# Allegro board FMDEMOD-before-back-annote.brd (continued)
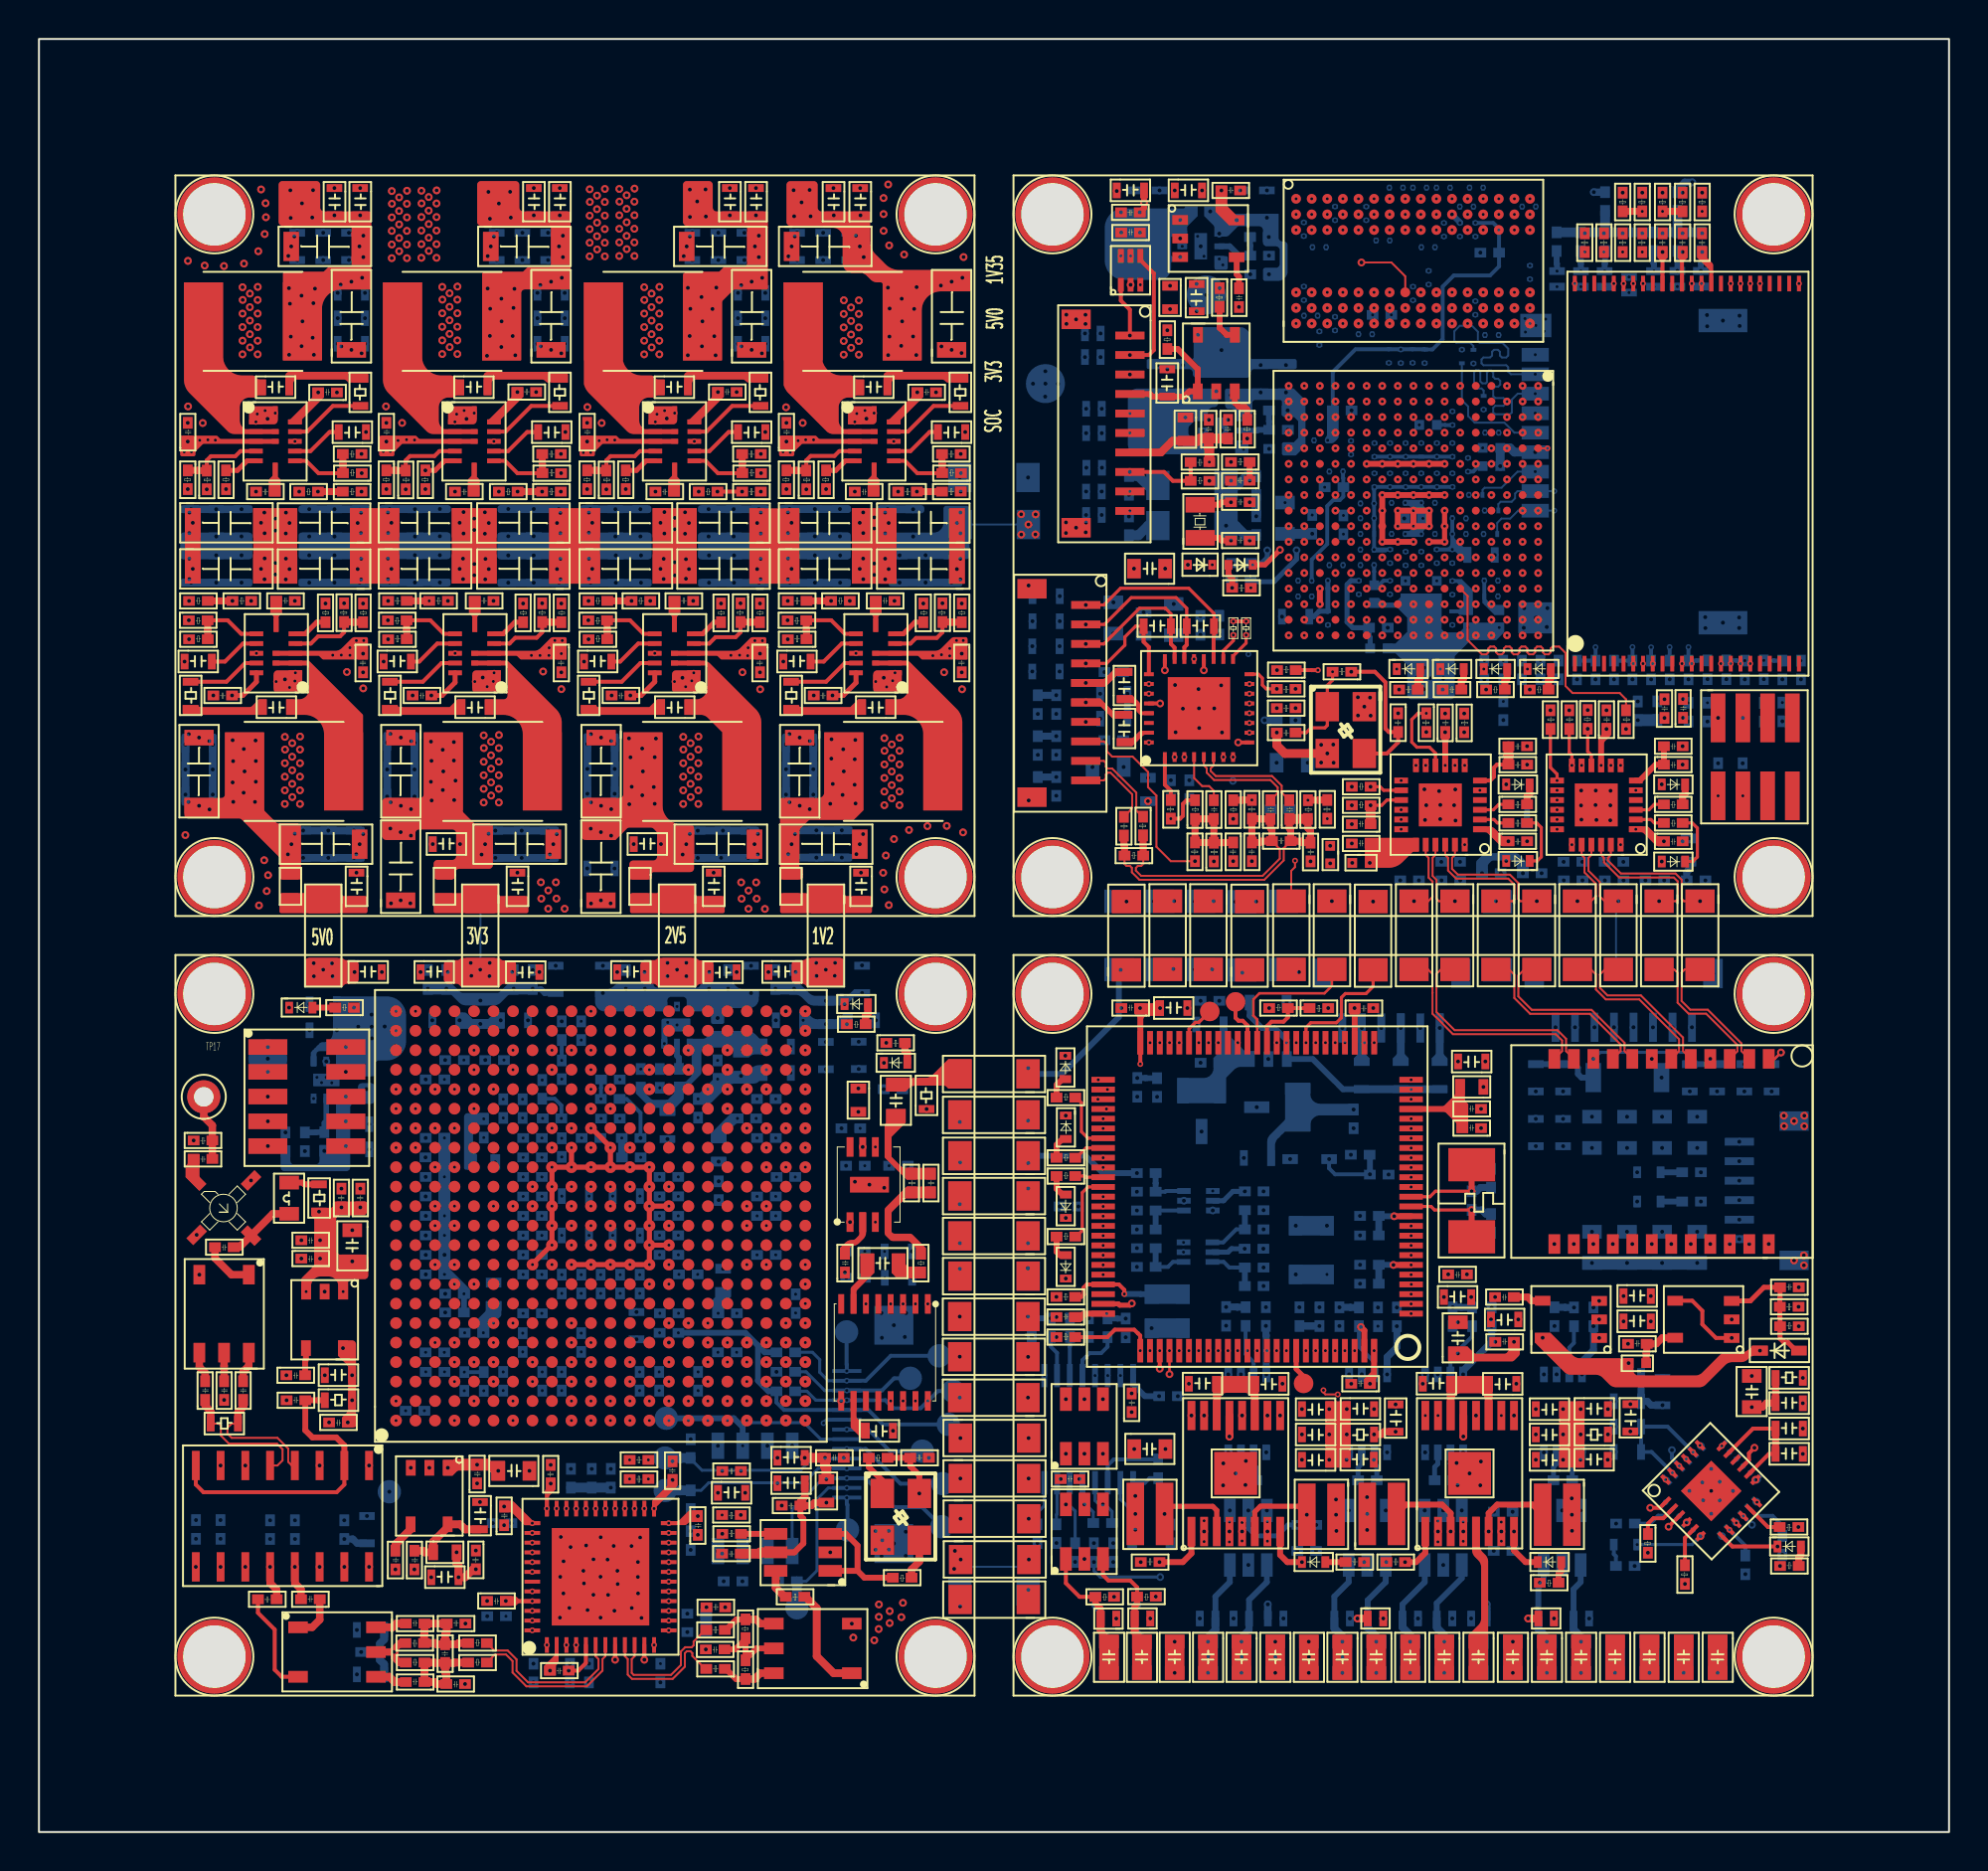
[diagram p0: board, top side]
## Routing (per net, layer and track width the routed paths; a pad name or vN(x,y) marks a point on that pad's centre or on a via; arc(x,y) is an arc through that point) (continued)
CPU_UART4_RXD_X: length 47.9
  SIGNAL-L8 w0.1: v6(63.94,44.11) 64.98,43.07 64.98,38.04 63.69,36.76 63.69,30.68 62.83,29.82 v6(62.83,28.97) 63.77,28.03 63.77,26.38 65.36,24.79 65.36,18.81 63.89,17.33 63.89,13.56 61.53,11.2 53.99,11.2 53.33,11.86 v6(50.76,11.86)
CPU_UART4_TXD: length 35.9
  SIGNAL-L7 w0.1: v13(72.12,61.4) 72.85,62.13 72.85,64.9 72.13,65.62 72.13,66.14 71.28,66.98 69.8,66.98 69.52,66.7 67.73,66.7 65.73,64.7 65.73,63 65.3,62.57 64.66,62.57 64.17,62.07 64.17,54.01 63.18,53.02 60.7,53.02 55.8,48.12 v14(55.8,47.74)
CPU_UART4_TXD_X: length 18.6
  SIGNAL-L8 w0.1: v6(56.33,31.89) 55.84,31.89 53.67,34.06 53.67,37.53 52.78,38.42 v6(50.74,38.42)
  BOTTOM w0.3: 50.74,38.9 52.49,38.9 55.41,41.81 55.41,44.26
CS0: length 26.6
  SIGNAL-L8 w0.1: v17(72.5,78.2) 72.13,78.57 71.3,78.57 70.67,79.2 70.67,79.73 71.4,80.47 76.66,80.47 76.88,80.69 76.88,81.73 76.64,81.97 70.79,81.97 70.38,81.56 70.38,80.36 68.94,78.91 68.94,76.64 67.32,75.02 v17(67.32,73.4)
CS1: length 26.1
  SIGNAL-L7 w0.1: v13(72.5,77.4) 72.82,77.08 73.09,77.08 73.16,77.15 73.16,77.29 72.68,77.77 72.32,77.77 72.17,77.91 72.17,78.03 72.07,78.13 71.92,78.13 71.82,78.03 71.82,77.78 72.05,77.55 72.05,77.31 71.95,77.21 71.82,77.21 71.71,77.11 71.71,76.97 71.78,76.9 72.24,76.9 72.5,76.64 72.68,76.64 72.83,76.79 73.13,76.79 73.21,76.72 73.21,76.58 73.13,76.5 73.13,76.49 73.03,76.39 72.87,76.39 72.68,76.2 72.45,76.2 72.15,76.49 72.01,76.49 71.94,76.42 71.94,76.21 72.5,75.64 72.5,75.5 72.37,75.37 72.16,75.37 71.62,75.9 71.62,76.15 71.38,76.39 71.24,76.39 71.06,76.22 71.06,75.99 71.57,75.48 71.57,75.17 71.43,75.02 70.22,75.02 70.17,75.07 70.03,75.07 69.93,74.97 69.93,74.83 70.03,74.73 71.27,74.73 71.37,74.63 71.37,74.49 71.27,74.39 71.04,74.39 70.89,74.24 70.89,74.14 70.99,74.04 71.3,74.04 71.4,73.94 71.4,73.84 70.94,73.38 70.94,73.24 71.04,73.14 71.36,73.14 71.57,73.35 72.48,73.35 72.71,73.12 72.71,72.72 72.62,72.63 72.49,72.63 72.26,72.86 72.26,72.9 72.15,73.01 71.72,73.01 71.54,72.84 71.54,72.69 71.64,72.59 71.86,72.59 71.96,72.49 71.96,72.22 71.65,71.91 71.65,71.52 71.75,71.42 72.54,71.42 72.64,71.32 72.64,71.1 72.54,71 v13(71.32,71)
D0: length 25.4
  SIGNAL-L3 w0.1: v9(64.92,71.8) 64.52,71.4 63.48,71.4 63.11,71.77 63.11,71.91 63.23,72.03 63.23,72.17 63.09,72.31 62.95,72.31 62.83,72.19 62.69,72.19 62.53,72.35 62.53,73.37 62.69,73.54 62.69,73.77 62.61,73.86 62.45,73.86 62.36,73.94 62.36,74.17 62.45,74.26 62.61,74.26 62.69,74.34 62.69,74.57 62.61,74.66 62.45,74.66 62.36,74.74 62.36,74.97 62.45,75.06 62.61,75.06 62.69,75.14 62.69,75.37 62.61,75.46 62.45,75.46 62.36,75.54 62.36,75.77 62.45,75.86 62.61,75.86 62.69,75.94 62.69,76.17 62.61,76.26 62.45,76.26 62.36,76.34 62.36,76.57 62.45,76.66 62.61,76.66 62.69,76.74 62.69,76.97 62.61,77.06 62.45,77.06 62.36,77.14 62.36,77.37 62.45,77.46 62.61,77.46 62.69,77.54 62.69,79.41 63.98,80.7 64.63,80.7 64.73,80.8 64.73,81.58 64.83,81.68 65.03,81.68 65.13,81.58 65.13,80.8 65.23,80.7 65.43,80.7 65.53,80.8 65.53,81.58 65.63,81.68 65.83,81.68 65.93,81.58 65.93,80.8 66.03,80.7 66.35,80.7 66.51,80.54 66.51,80.4 66.35,80.23 66.35,80.09 66.49,79.95 66.63,79.95 66.8,80.11 66.94,80.11 67.08,79.97 67.08,79.83 66.92,79.67 66.92,79.53 67.31,79.14 67.31,78.24 67.41,78.14 67.6,78.14 67.7,78.24 v9(67.7,79)
D1: length 22.9
  SIGNAL-L7 w0.1: v13(64.12,70.2) 63.62,70.2 62.82,71 62.82,72.51 62.24,73.08 62.24,74.24 62.37,74.37 62.37,82.98 63.15,83.77 67.12,83.77 67.6,83.28 67.6,82.36 67.7,82.26 67.87,82.26 67.97,82.36 67.97,82.52 68.08,82.64 68.84,82.64 68.94,82.53 68.94,82.39 68.75,82.2 v13(68.5,82.2)
D2: length 25.2
  SIGNAL-L4 w0.1: v15(68.5,78.2) 67.85,78.84 67.85,79.72 67.69,79.89 66.64,79.89 66.49,79.74 66.49,77.07 66.59,76.97 67.24,76.97 67.34,77.07 67.34,77.89 67.44,77.99 67.79,77.99 67.89,77.89 67.89,77.07 67.99,76.97 68.51,76.97 68.61,76.87 68.61,76.55 68.48,76.42 66.59,76.42 66.49,76.32 66.49,75.87 66.59,75.77 67.74,75.77 67.84,75.67 67.84,75.47 67.74,75.37 66.59,75.37 66.49,75.27 66.49,75.02 66.96,74.55 66.96,69.28 66.69,69.01 65.91,69.01 65.71,69.22 65.71,69.74 65.25,70.2 v15(64.92,70.2)
D3: length 23.2
  SIGNAL-L7 w0.1: v13(68.5,83) 68.73,83.23 68.73,83.68 68.34,84.07 62.94,84.07 62.02,83.16 62.02,74.54 61.79,74.31 61.79,72.92 62.32,72.39 62.32,70.68 63.59,69.4 v13(64.12,69.4)
D4: length 23.2
  TOP w0.1: U20.H3 70.1,79.82 69.39,80.53 v11(67.85,80.53)
  SIGNAL-L8 w0.1: v11(67.85,80.53) 64.72,80.53 63.68,79.49 63.68,77 64.55,76.14 64.55,75.34 64.65,75.24 65.51,75.24 65.61,75.14 65.61,74.94 65.51,74.84 64.65,74.84 64.55,74.74 64.55,74.54 64.65,74.44 65.51,74.44 65.61,74.34 65.61,74.14 65.51,74.04 64.65,74.04 64.55,73.94 64.55,69.03 v17(64.12,68.6)
D5: length 24.3
  SIGNAL-L4 w0.1: v15(70.1,83) 69.63,83.47 68.7,83.47 67.99,84.18 64.2,84.18 62.38,82.36 62.38,72.19 62.58,71.99 62.58,70.86 63.02,70.42 63.02,69.63 63.63,69.01 64.51,69.01 v15(64.92,68.6)
D6: length 22.4
  SIGNAL-L4 w0.1: v15(64.92,71) 64.51,71.41 63.77,71.41 63.54,71.63 63.54,72.73 63.18,73.09 63.18,81.55 64.28,82.65 67.12,82.65 67.3,82.48 67.3,81.78 67.79,81.28 68.71,81.28 69.81,80.17 69.81,78.72 v15(69.3,78.2)
D7: length 22.7
  SIGNAL-L7 w0.1: v13(64.12,71.8) 63.79,71.8 63.5,72.09 63.5,74.3 63.2,74.6 63.2,79.1 63.55,79.44 63.55,80.17 63.24,80.47 63.24,80.8 64.31,81.87 64.31,82.72 64.61,83.02 65.25,83.02 65.65,82.63 66.45,82.63 66.61,82.47 66.76,82.47 66.95,82.67 67.1,82.67 67.24,82.52 67.24,82.38 67.04,82.18 67.04,82.04 67.29,81.79 68.75,81.79 69.54,82.59 69.54,83.39 69.8,83.64 70.28,83.64 70.76,83.16 70.76,82.86 v13(70.1,82.2)
D8: length 16.4
  SIGNAL-L4 w0.1: v15(64.12,73.4) 63.55,73.97 63.55,81.14 64.1,81.69 64.45,81.69 64.55,81.59 64.55,80.89 64.65,80.79 64.85,80.79 64.95,80.89 64.95,81.59 65.05,81.69 65.39,81.69 65.49,81.59 65.49,81.29 65.59,81.19 65.79,81.19 65.89,81.29 65.89,81.56 65.99,81.66 66.23,81.66 66.32,81.57 66.32,80.68 66.44,80.56 66.78,80.56 66.9,80.68 v15(66.9,82.2)
D9: length 15.9
  SIGNAL-L3 w0.1: v9(64.12,72.6) 64.51,72.99 64.72,72.99 64.74,72.97 65.1,72.97 65.35,73.22 65.35,74.38 65.04,74.69 64.57,74.69 64.29,74.97 64.29,75.6 64.47,75.77 64.61,75.77 65.29,75.09 65.43,75.09 65.57,75.23 65.57,75.37 64.89,76.05 64.89,76.2 65.23,76.53 65.23,76.68 65.09,76.82 64.95,76.82 64.08,75.95 63.84,75.95 63.71,76.08 63.71,78.97 64.29,79.55 65.55,79.55 v9(66.1,79)
D10: length 16.5
  SIGNAL-L7 w0.1: v13(66.1,83) 65.67,83.42 64.13,83.42 63.78,83.08 63.78,82.55 63.61,82.38 62.81,82.38 62.69,82.25 62.69,79.37 62.81,79.25 62.81,74.45 63.16,74.09 63.16,71.45 63.61,71 v13(64.12,71)
D11: length 14.9
  SIGNAL-L3 w0.1: v9(65.72,71.8) 65.36,72.16 63.75,72.16 63.1,72.8 63.1,79.15 64.15,80.2 65.66,80.2 66.51,79.34 66.51,78.61 v9(66.1,78.2)
D12: length 16.4
  SIGNAL-L3 w0.1: v9(64.5,82.2) 64.5,81.87 61.96,79.34 61.96,78.92 62.08,78.81 62.08,77.79 61.96,77.68 61.96,72.4 63.78,70.59 66.11,70.59 v9(66.52,71)
D13: length 16
  SIGNAL-L4 w0.1: v15(66.52,72.6) 65.89,71.97 65.89,71.5 66.02,71.36 66.48,71.36 66.58,71.26 66.58,70.86 66.3,70.58 65.64,70.58 65.43,70.8 65.43,72.38 66.12,73.08 66.12,74.34 65.56,74.91 65.56,75.66 65.66,75.76 66.02,75.76 66.12,75.86 66.12,76.06 66.02,76.16 65.66,76.16 65.56,76.26 65.56,76.46 65.66,76.56 66.02,76.56 66.12,76.66 66.12,76.86 66.02,76.96 65.66,76.96 65.56,77.06 65.56,77.59 65.93,77.96 65.93,78.62 65.64,78.92 65.22,78.92 v15(64.5,78.2)
D14: length 15.2
  SIGNAL-L3 w0.1: v9(65.72,73.4) 66.15,73.83 66.15,74.85 66.86,75.56 66.86,75.7 66.3,76.26 66.3,76.4 66.44,76.54 66.58,76.54 67.14,75.98 67.28,75.98 67.42,76.12 67.42,76.27 67.03,76.66 67.03,76.81 67.18,76.96 67.3,76.96 67.7,76.55 67.97,76.55 68.07,76.65 68.07,79.63 66.53,81.17 66.53,82.38 66.28,82.63 65.67,82.63 v9(65.3,83)
D15: length 15.9
  SIGNAL-L4 w0.1: v15(64.5,79) 65.03,79.53 65.03,79.94 64.93,80.04 64.26,80.04 63.99,79.78 63.99,77.99 64.12,77.86 64.96,77.86 65.13,77.68 65.13,76.93 64.99,76.79 64.08,76.79 63.94,76.64 63.94,76.26 64.09,76.1 65.02,76.1 65.16,75.96 65.16,75.63 65.06,75.53 64.59,75.53 64.49,75.43 64.49,75.23 64.59,75.13 65.06,75.13 65.16,75.03 65.16,74.83 65.06,74.73 64.59,74.73 64.49,74.63 64.49,73.22 64.74,72.97 65.18,72.97 65.39,73.18 65.39,73.44 65.72,73.77 v15(65.72,74.2)
DATA0: length 38.4
  SIGNAL-L4 w0.1: v15(35.05,16.27) 35.63,16.85 38.89,16.85 39.46,16.28 41.16,16.28 42.17,17.29 42.17,19.26 41.77,19.66 v23(41.45,19.66) 39.98,21.12 39.98,23.79 39.15,24.63 27.22,24.63 26.64,24.05 26.64,21.79 v15(27.32,21.11)
  BOTTOM w0.2: TP35.1 44.2,17.87 42.42,19.66 v23(41.45,19.66)
DCDC_3V3: length 69.3
  SIGNAL-L4 w0.26: v1(61.93,62.12) v1(61.28,62.12) 60.05,63.35 55.62,63.35 54.74,64.22 54.74,74.72 55.61,75.59 55.61,79.53 56.81,80.72 56.81,81.75 v3(56.49,82.07)
  PWR-L6 w0.26: v3(61.16,70.3) 61.64,69.81 61.64,67.75 ; 61.64,67.75 61.88,67.51 v4(62.46,67.51) ; 61.64,67.75 61.64,67.72 59.79,65.87 59.79,64.67 60.05,64.41 61.31,64.41 61.74,63.98 61.74,62.58 v1(61.28,62.12) ; v2(70.82,72.2) 71.11,72.49 71.11,73.24 71.51,73.64 74.35,73.64 76.6,71.39 76.69,71.39 76.77,71.31 v4(76.77,70.8)
  PWR-L6 w0.3: v1(56.01,80.87) 56.01,81.59 v3(56.49,82.07)
  PWR-L6 w0.38: v3(66.25,50.6) 65.76,50.6 65.6,50.77
  SIGNAL-L8 w0.26: v6(74.97,70.08) 74.33,70.08 74,70.42 73.15,70.42 72.49,69.76 71.62,69.76 70.82,70.56 v2(70.82,72.2)
  BOTTOM w0.45: v4(76.77,70.8) 75.7,70.8 75.48,71.02 L25.1 v6(74.97,70.08)
  BOTTOM w0.5: R155.1 R158.1 R159.1 ; R155.1 R152.1 R151.1 ; R155.1 C153.1 ; v4(84.06,83.18) R151.1 ; R151.1 R150.1 ; R136.1 v4(62.46,67.51)
  vias: v1(84.3,59.95) v2(73.32,61.8) v2(74.92,61.8) v3(63.51,57.67) v3(69.79,58.62) v3(72.02,58.62) v3(74.25,58.62) v3(76.49,58.62) v3(82.26,84.11) v3(83.3,84.11) v3(83.3,81.07) v3(83.4,58.12) v3(84.33,81.07) v3(84.35,58.13) v3(85.33,81.07) v4(63.5,54.86) v4(70.69,59.2) v4(71.06,59.74) v4(71.06,58.63) v4(71.38,59.19) v4(72.05,59.19) v4(78.91,59.14) v4(81.76,59.14) v4(82.03,57.05) v4(87.54,56.98) v20(56.9,52.89)
DCDC_3V3_PWR:
  vias: v3(23.02,79.2) v3(22.99,75.74) v3(23.06,84.15) v3(23.14,82.78) v3(23.15,78.16) v3(23.14,76.77) v3(23.6,83.56) v3(23.72,78.67) v3(23.73,77.51) v3(23.72,76.2) v3(24.17,84.16) v3(24.21,82.83) v3(24.35,78.2) v3(24.3,76.76) v3(24.39,79.18) v3(24.44,75.77) v3(25.39,82.95) v3(25.72,79.37) v3(26.27,79.55) v3(26.72,82.95) v3(26.68,81.36) v3(26.82,79.75) v3(26.78,70.71) v3(26.88,81.91) v3(26.88,80.81) v3(27.01,71.83) v4(23.48,82.06) v4(24.8,82.06) v4(25.57,78.97) v4(25.57,77.67) v4(25.57,76.36) v4(26.12,82.06)
DCDC_5V: length 5.7
  TOP w0.3: v3(56.48,83.11) 56.7,83.33 v3(56.7,83.6) C315.2
  PWR-L6 w0.26: v3(58.82,72.58) 58.82,74.91 59.47,75.56 v3(59.47,76.82)
  vias: v3(57.89,77.05) v3(58.03,79.34) v3(58.55,82.71) v3(58.55,80.81) v3(59.4,78.03) v3(60.58,79.22) v4(51,74.31) v4(51.63,74.95) v4(51.64,74.32) v4(51.63,73.65) v4(52.28,74.31) v4(55.13,61.49) v4(56.68,62.58)
DCDC_5V_PWR:
  vias: v3(12.82,79.21) v3(12.83,75.8) v3(12.9,84.24) v3(12.91,82.82) v3(12.88,78.42) v3(12.92,76.73) v3(13.49,83.57) v3(13.47,78.83) v3(13.52,77.51) v3(13.47,76.24) v3(14.02,82.84) v3(14.04,76.67) v3(14.06,84.24) v3(14.08,78.44) v3(14.11,75.8) v3(14.16,79.19) v3(15.16,82.95) v3(15.48,79.4) v3(16.03,79.55) v3(16.44,81.36) v3(16.48,82.95) v3(16.55,70.71) v3(16.64,81.91) v3(16.64,80.81) v3(16.58,79.75) v3(16.78,71.83) v4(13.25,82.06) v4(14.58,82.06) v4(15.33,78.97) v4(15.33,77.67) v4(15.33,76.36) v4(15.9,82.06)
DCLK: length 22.1
  SIGNAL-L4 w0.1: v15(27.32,22.11) 27.81,22.6 35.15,22.6 35.84,21.91 35.84,20.08 v23(36.11,19.82)
  BOTTOM w0.16: 36.11,20.78 36.33,21.01 39.25,21.01 40.1,20.16 J14.8
  BOTTOM w0.3: TP34.1 35.65,21.23 36.11,20.78 v23(36.11,19.82)
DQM0: length 24.5
  SIGNAL-L4 w0.1: v15(67.7,82.2) 68.16,81.74 69.49,81.74 69.67,81.92 69.67,82.49 69.55,82.61 68.04,82.61 67.24,83.42 64.28,83.42 62.76,81.9 62.76,72.6 63.02,72.34 63.02,71.3 63.51,70.8 63.51,70.07 63.78,69.81 64.52,69.81 v15(64.92,69.4)
DQM1: length 15
  SIGNAL-L7 w0.1: v13(64.92,72.6) 64.49,72.17 64.49,71.92 64.59,71.82 64.87,71.82 64.97,71.72 64.97,71.52 64.87,71.42 64.59,71.42 64.49,71.32 64.49,71.12 64.59,71.02 64.87,71.02 64.97,70.92 64.97,70.72 64.87,70.62 64.59,70.62 64.49,70.52 64.49,70.03 64.73,69.8 65.12,69.8 65.43,70.11 65.43,74.29 65.29,74.44 65.29,75.97 66.37,77.04 66.37,78.47 v13(66.9,79)
DRAM_1V35: length 55.8
  TOP w0.3: v1(72.12,70.2) v1(71.32,70.2) v1(70.52,70.2) v1(69.72,70.2) v1(68.92,70.2) v1(68.12,70.2)
  PWR-L6 w0.2: v1(71.7,78.2) 71.3,78.6 v2(71.3,79.4) ; 73.71,80.77 75.41,80.77 76.1,81.47 v2(76.1,83.4) ; 68.6,79.93 69.31,80.64 v2(69.31,81.66)
  PWR-L6 w0.22: 67.46,83.16 67.46,83.23 67.41,83.28 67.53,83.4 v2(68.1,83.4) ; 72.06,82.59 71.51,82.59 71.29,82.36 71.29,82.04 71.06,81.81 70.74,81.81 70.51,82.04 70.51,82.36 70.29,82.59 69.75,82.59 69.72,82.62 ; v2(66.5,83.4) 67.06,83.4 67.3,83.16 67.3,80.23 67.6,79.93 ; v1(75.7,83.8) 75.13,84.37 v2(74.1,84.37) ; 73.71,80.77 74.51,79.98 74.51,77.8 74.34,77.63 74.34,77.17 74.67,76.84 74.86,76.84 v2(74.89,76.81) ; 69.48,79.93 69.76,79.65 69.76,79.03 69.92,78.87 70.22,78.87 v2(70.5,78.59) ; 69.72,82.62 v1(69.3,82.2) ; 69.72,82.62 69.72,82.62 69.86,82.77 69.86,83.23 69.72,83.38 69.72,83.42 v1(70.1,83.8) ; v2(73.7,77.85) 73.66,77.81 73.12,77.81 72.9,78.04 72.9,80.22 72.34,80.77
  PWR-L6 w0.25: v2(71.3,79.4) 70.77,79.93 70.17,79.93
  PWR-L6 w0.26: v1(69.72,70.2) 70.09,70.57 v2(70.12,70.57) ; v2(69.32,70.57) 69.29,70.57 v1(68.92,70.2) ; v1(70.52,70.2) 70.55,70.2 C5649.1 ; v1(68.12,70.2) 68.49,70.57 v2(68.52,70.57) ; v1(72.12,70.2) 72.15,70.2 v2(72.52,70.57) ; v1(71.32,70.2) 71.36,70.2 v2(71.72,70.57)
  PWR-L6 w0.3: v2(64.9,77.8) 64.9,77.8 v1(64.5,77.4) ; v1(68.5,77.4) 68.5,77.19 68.4,77.09 v2(68.4,76.85) ; 73.71,80.77 71.01,80.77 70.17,79.93 67.6,79.93 ; v1(65.3,78.2) 65.3,78.2 v2(64.9,78.6) ; v2(74.1,84.37) 74.1,84.37 v1(74.1,83.8) ; v2(66.5,83.4) 66.9,83.8 v1(66.9,83.8) ; v2(73.7,77.85) 73.7,77.8 v1(74.1,77.4) ; v1(71.7,83) 71.7,82.95 v2(72.08,82.56) ; v1(75.7,77.4) 75.11,76.81 v2(74.89,76.81) ; v2(65.7,77) v1(66.1,77.4) ; v1(64.5,83) 64.06,82.56 64.06,82.56 ; v1(70.1,83.8) 70.1,84.03 69.98,84.15 v2(69.98,84.37) ; v2(76.1,83.4) v1(75.7,83.8) ; v2(70.5,78.59) 70.11,78.2 v1(70.1,78.2) ; v2(69.31,81.66) 69.31,82.19 v1(69.3,82.2) ; v2(68.1,83.4) v1(67.7,83.8)
  SIGNAL-L8 w0.3: v17(66.9,78.2) 66.5,77.8 v7(66.5,77.75)
  vias: v1(66.1,83.8) v2(64.9,82.59) v2(70.48,75.38) v2(71.1,75.37) v4(60.09,83.15) v4(60.56,82.01) v4(63,82.83) v4(63.1,81.84) v4(63.11,79.92)
DRAM_1V35_PWR:
  vias: v3(38.72,84.24) v3(38.75,82.9) v3(39.13,83.61) v3(39.54,84.25) v3(39.59,82.9) v3(40.78,82.95) v3(41.92,81.91) v3(42.12,81.36) v3(42.15,82.95) v3(42.32,80.81) v3(43.56,79.24) v3(43.64,78.17) v3(43.64,76.73) v3(43.57,75.78) v3(44.24,76.25) v3(44.26,78.67) v3(44.29,77.51) v3(44.85,76.74) v3(44.9,78.15) v3(45.03,79.27) v3(45.01,75.78) v3(46.27,79.35) v3(46.83,79.55) v3(47.29,70.71) v3(47.38,79.75) v3(47.52,71.83) v4(38.9,82.06) v4(40.23,82.06) v4(41.57,82.06)
DRAM_VREF: length 20.2
  PWR-L6 w0.22: v2(69.87,76.07) 69.87,76.66 70.1,76.89 v1(70.1,77.4)
  PWR-L6 w0.3: v1(73.3,83) 73.3,82.97 v2(73.7,82.56) ; v1(66.52,71.8) 66.13,71.41 v2(66.12,71.41)
  BOTTOM w0.2: 66.38,72.94 66.38,74.92 67.55,76.08 69.86,76.08 v2(69.87,76.07) 69.88,76.08 71.09,76.08 C94.2 71.5,76.07 72.02,76.59 72.02,79.29 72.59,79.86 74.45,79.86 74.92,80.33 74.92,82.26 74.61,82.56 73.7,82.56
E1R+: length 7.4
  TOP w0.1: T1.2 87.35,40.07 87.35,40.47 85.62,42.19 84.73,42.19 84.28,42.64 84.28,44.1 84.44,44.26 R327.2
E1R-: length 7.4
  TOP w0.1: R328.2 83.9,44.26 84.07,44.08 84.07,42.55 84.64,41.99 85.54,41.99 87.14,40.38 87.14,40.06 T1.3
E1T+: length 8.3
  TOP w0.1: T1.5 84.35,40.07 84.35,40.76 82.19,42.93 80.47,42.93 80.09,43.31 80.09,44 80.35,44.26 R329.2
E1T-: length 8.3
  TOP w0.1: R330.2 79.62,44.26 79.88,44 79.88,43.23 80.39,42.72 82.1,42.72 84.15,40.68 84.15,40.07 T1.6
E2R+: length 9.6
  TOP w0.1: T1.8 81.35,40.07 81.35,40.49 79.66,42.19 76.59,42.19 75.9,42.88 75.9,43.95 76.21,44.26 R331.2
E2R-: length 9.6
  TOP w0.1: T1.9 81.15,40.07 81.15,40.41 79.57,41.98 76.51,41.98 75.7,42.79 75.7,43.99 75.42,44.26 R332.2
E2T+: length 11.4
  TOP w0.1: T1.11 78.35,40.07 78.35,40.7 77.91,41.14 72.63,41.14 71.7,42.07 71.7,44.03 71.94,44.26 R333.2
E2T-: length 11.4
  TOP w0.1: T1.12 78.15,40.07 78.15,40.61 77.82,40.94 72.55,40.94 71.5,41.99 71.5,44.02 71.26,44.26 R334.2
ECSPI3_CS0: length 21.9
  SIGNAL-L8 w0.1: v6(59.3,47.75) 60.44,48.89 66.62,48.89 67.93,50.19 67.93,57.21 70.52,59.8 v17(70.52,61.4)
ECSPI3_MISO: length 31.3
  SIGNAL-L7 w0.1: v13(71.32,63.8) 71.32,64.7 71.46,64.84 71.46,65.32 70.82,65.97 69.91,65.97 69.56,66.32 67.97,66.32 67.38,65.72 67.38,64.61 66.72,63.96 66.72,61.29 68.02,60 68.02,50.39 66.84,49.2 61.7,49.2 v18(60.27,47.76)
ECSPI3_MOSI: length 31.5
  SIGNAL-L8 w0.1: v11(58.24,47.77) 58.74,47.27 64.87,47.27 65.37,47.77 67.89,47.77 69.25,49.12 69.25,54.27 70.31,55.33 71.56,55.33 73.55,57.32 73.55,60.98 73.82,61.25 73.82,62.46 73.28,63 v17(70.52,63)
ECSPI3_SCLK: length 24.4
  SIGNAL-L8 w0.1: v6(57.21,47.76) 57.21,48.17 58.32,49.29 65.88,49.29 66.63,50.04 66.63,52.17 67.2,52.74 67.2,57.63 70.05,60.47 70.05,61.73 v17(70.52,62.2)
ENC1_A: length 4.4
  BOTTOM w0.3: U6.3 67.2,12.82 66.46,12.08 D4.2
  BOTTOM w0.4: D4.2 66.46,10.46 66.88,10.04 C454.2
ENC1_A_BUF: length 24.4
  SIGNAL-L8 w0.1: v6(67.2,16.5) 67.2,17.64 67.89,18.33 67.89,26.82 66.86,27.85 66.86,34.94 68.41,36.48 68.41,37.24 69.27,38.1 v17(70.4,38.1)
ENC1_B: length 4.5
  BOTTOM w0.3: U6.1 69.1,12.82 68.17,11.89 D3.2
  BOTTOM w0.4: D3.2 68.17,10.48 68.62,10.03 C453.1
ENC1_B_BUF: length 24.1
  SIGNAL-L8 w0.1: v17(70.4,37.6) 69.77,37.6 69.03,36.85 69.03,35.78 67.7,34.46 67.7,33.19 68.58,32.31 68.58,28.34 69.15,27.77 69.15,24.65 70.22,23.58 70.22,18.44 69.1,17.32 v6(69.1,16.5)
ENC2_A: length 4.4
  BOTTOM w0.3: U9.3 61.1,12.82 60.36,12.08 D9.2
  BOTTOM w0.4: 59.99,9.77 59.99,9.99 60.36,10.37 D9.2
ENC2_A_BUF: length 9.8
  SIGNAL-L8 w0.1: v6(61.1,16.5) 61.1,17.19 64.25,20.34 64.25,23.57 63.5,24.32 v17(63.5,24.7)
ENC2_B: length 4.5
  BOTTOM w0.3: D8.2 62.09,11.91 63,12.82 U9.1
  BOTTOM w0.36: C476.1 61.71,10 62.09,10.38 D8.2
ENC2_B_BUF: length 9.3
  SIGNAL-L8 w0.1: v6(63,16.5) 63,17.72 64.81,19.53 64.81,23.89 v17(64,24.7)
ENC3_A: length 4.2
  BOTTOM w0.3: U12.3 77.2,12.82 76.93,12.55 D12.2
  BOTTOM w0.4: D12.2 76.93,10.42 77.38,9.98 C469.1
ENC3_A_BUF: length 35.2
  SIGNAL-L3 w0.1: v12(77.2,16.5) 77.2,16.88 76.46,17.62 76.46,21.3 75.87,21.89 72.88,21.89 69.34,25.43 64.98,25.43 63.93,26.48 63.93,32.97 60.51,36.4 v9(60.51,40.5)
ENC3_B: length 4.2
  BOTTOM w0.3: D11.2 78.73,12.46 79.1,12.82 U12.1
  BOTTOM w0.4: D11.2 78.73,10.4 79.13,10 C470.1
ENC3_B_BUF: length 35.2
  SIGNAL-L3 w0.1: v12(79.1,16.5) 76.97,18.63 76.97,21.45 76.06,22.36 73.09,22.36 69.09,26.37 66.04,26.37 65.14,27.26 65.14,32.81 61.08,36.88 61.08,40.07 v9(61.51,40.5)
ENC4_A: length 4.6
  BOTTOM w0.3: U15.3 71.1,12.82 69.96,11.68 D17.2
  BOTTOM w0.4: C462.1 70.36,10.1 69.96,10.5 D17.2
ENC4_A_BUF: length 28.7
  SIGNAL-L4 w0.1: v16(71.1,16.5) 71.1,17.4 69.01,19.5 69.01,21.12 66.92,23.2 64.98,23.2 64.36,23.83 64.36,25.02 64.14,25.23 64.14,29.95 59.99,34.1 v15(54.6,34.1)
ENC4_B: length 4.6
  BOTTOM w0.3: U15.1 73,13.03 71.72,11.74 71.72,10.96
  BOTTOM w0.4: 71.72,10.96 71.72,10.5 72.11,10.1 C463.1
ENC4_B_BUF: length 31
  SIGNAL-L4 w0.1: v16(73,16.5) 73,17.19 70.25,19.94 70.25,21.72 68.26,23.72 65.23,23.72 64.65,24.3 64.65,25.01 64.84,25.19 64.84,30.07 60.31,34.6 v15(54.6,34.6)
ENC+: length 7.2
  TOP w0.1: R238.2 34.18,8.37 33.52,9.03 33.52,9.18 33.42,9.28 33.24,9.28 33.14,9.18 33.14,8.48 32.51,7.86 30.43,7.86 30.21,8.08 30.21,8.87 30.06,9.02 U36.9
ENC-: length 6.8
  TOP w0.1: U36.10 30.56,9.02 30.41,8.87 30.41,8.16 30.51,8.06 32.43,8.06 32.93,8.57 32.93,9.26 33.15,9.48 33.49,9.48 33.59,9.58 33.59,9.78 34.18,10.37 R243.2
ENET1_CRS_DV: length 19
  SIGNAL-L4 w0.1: v15(79.15,54.73) 79.47,54.41 79.47,54.1 79.36,53.99 78.46,53.99 78.21,54.24 78.21,55.27 78.14,55.34 78.14,55.48 78.29,55.62 78.29,55.76 78.15,55.91 78,55.91 77.86,55.76 77.72,55.76 77.58,55.9 77.58,56.05 77.74,56.21 77.74,56.35 77.6,56.49 77.46,56.49 77.3,56.33 77.15,56.33 77.01,56.47 77.01,56.61 77.23,56.83 77.23,56.97 77.09,57.12 76.95,57.12 76.73,56.89 76.59,56.89 76.45,57.04 76.45,57.18 76.67,57.4 76.67,57.54 76.53,57.68 76.38,57.68 76.16,57.46 76.02,57.46 75.88,57.6 75.88,57.74 76.1,57.96 76.1,58.17 76,58.27 75.43,58.27 75.33,58.37 75.33,58.57 75.68,58.92 75.68,59.37 75.58,59.47 75.58,59.61 76.09,60.13 76.09,60.27 75.95,60.41 75.81,60.41 75.13,59.73 74.99,59.73 74.51,60.2 74,60.2 73.88,60.33 73.74,60.33 73.51,60.11 73.37,60.11 73.23,60.25 73.23,60.39 73.45,60.61 73.45,60.75 73.29,60.91 73.29,61.77 v15(73.72,62.2)
ENET1_LED1: length 1.6
  TOP w0.16: R80.1 82.88,52.73 82.6,52.45 U21.3
ENET1_LED2: length 1.5
  TOP w0.16: R81.1 82.88,51.78 82.71,51.95 U21.2
ENET1_NINT: length 34.4
  SIGNAL-L3 w0.1: v12(76.35,54.77) 76.83,54.77 77.21,54.38 77.21,53.65 77.41,53.45 v15(77.89,53.45)
  SIGNAL-L4 w0.1: v15(77.89,53.45) 78.3,53.45 78.85,52.9 78.85,51.65 79.05,51.45 79.05,50.52 78.68,50.15 77.18,50.15 76.97,50.35 74.72,50.35 71.64,53.44 69.66,53.44 69.27,53.83 69.27,55.92 68.21,56.98 68.21,60.56 68.5,60.86 68.5,65.66 68.23,65.93 67.23,65.93 66.9,66.26 66.9,67.45 67.32,67.87 v15(67.32,68.6)
ENET1_NRST: length 28
  SIGNAL-L4 w0.1: v15(67.32,67) 68.53,67 68.95,66.59 69.89,66.59 70.12,66.35 70.12,58.81 70.16,58.78 70.16,58.67 71.56,57.28 71.56,56.82 71.65,56.73 71.65,54.29 73.99,51.95 75.57,51.95 v16(76.35,52.73) 76.35,51.93 77.2,51.08 78.15,51.08 78.4,51.34 78.4,52.77 78.22,52.95 v15(77.89,52.95)
  BOTTOM w0.3: R78.1 76.35,52.3 76.35,52.3 v16(76.35,52.73)
ENET1_RX+: length 12.8
  SIGNAL-L4 w0.1: v16(84.81,41.29) 84.37,40.85 84.37,34.52 87.35,31.54 87.35,30.44 87.63,30.17 v10(87.75,30.17)
ENET1_RX-: length 12.7
  SIGNAL-L4 w0.1: v10(86.75,30.17) 87.14,30.56 87.14,31.45 84.16,34.44 84.16,40.94 v16(83.81,41.29)
ENET1_RXD0: length 18.9
  SIGNAL-L4 w0.1: v15(80.65,54.73) 80.65,54.19 80.88,53.96 81.92,53.96 82.17,54.2 82.17,55.74 81.97,55.94 79.34,55.94 78.75,56.53 78.75,56.8 79.03,57.08 79.03,57.22 78.91,57.34 78.91,57.79 79.03,57.91 79.03,60.5 76.91,62.61 73.33,62.61 v15(72.92,62.2)
ENET1_RXD1: length 19
  SIGNAL-L4 w0.1: v15(73.72,61.4) 74.27,60.86 75.7,60.86 75.8,60.95 75.8,61.63 75.9,61.73 76.1,61.73 76.2,61.63 76.2,60.95 76.3,60.86 76.5,60.86 76.6,60.95 76.6,61.62 76.7,61.72 76.89,61.72 76.99,61.62 76.99,61.05 77.09,60.95 77.56,60.95 77.72,60.79 77.72,60.65 77.07,60.01 77.07,59.86 77.21,59.72 77.36,59.72 78,60.37 78.14,60.37 78.52,60 78.52,58.92 78.2,58.59 77.74,58.59 77.64,58.49 77.64,58.41 77.74,58.31 78.14,58.31 78.24,58.21 78.24,58.01 78.14,57.91 78.12,57.91 78,57.79 78,56.68 79.28,55.41 80.8,55.41 81.15,55.06 v15(81.15,54.73)
ENET1_RXER: length 21.7
  TOP w0.16: v10(79.46,56.61) 79.46,55.45 79.65,55.26 U21.10
  SIGNAL-L4 w0.1: v15(74.52,63) 74.81,63.29 77.38,63.29 78.79,64.7 78.93,64.7 79.07,64.56 79.07,64.42 77.7,63.05 77.7,62.91 77.84,62.76 77.98,62.76 79.36,64.14 79.5,64.14 79.64,64 79.64,63.85 78.27,62.48 78.27,62.34 78.43,62.18 78.57,62.18 78.75,62.36 78.89,62.36 79.03,62.22 79.03,62.08 78.85,61.9 78.85,61.75 79.46,61.14 79.46,58.74 80.05,58.15 80.05,57.19 v10(79.46,56.61)
ENET1_RXN: length 8.2
  TOP w0.1: v8(83.13,47.76) 83.97,47.76 84.08,47.87 84.08,48.78 83.88,48.98 81.08,48.98 80.3,49.76 80.3,49.98 80.15,50.13 U21.22
  SIGNAL-L3 w0.1: v12(83.38,48.83) 83.38,48.44 83.13,48.18 v8(83.13,47.76)
ENET1_RXP: length 8.2
  TOP w0.1: v8(85.23,47.76) 84.4,47.76 84.28,47.88 84.28,48.86 83.97,49.18 81.17,49.18 80.5,49.84 80.5,49.98 80.65,50.13 U21.23
  SIGNAL-L3 w0.1: v12(85.5,48.83) 85.5,48.5 85.23,48.23 v8(85.23,47.76)
ENET1_TX+: length 12.5
  SIGNAL-L4 w0.1: v16(82.81,41.29) 82.37,40.85 82.37,40.22 82.17,40.03 82.17,34.53 84.35,32.35 84.35,30.57 v10(84.75,30.17)
ENET1_TX-: length 12.4
  SIGNAL-L4 w0.1: v10(83.75,30.17) 84.14,30.56 84.14,32.27 81.96,34.44 81.96,40.11 82.16,40.3 82.16,40.94 v16(81.81,41.29)
ENET1_TX_CLK: length 16.4
  TOP w0.1: R94.2 81.43,58.12 81.11,58.44 78.69,58.44 78.32,58.8 78.32,60.5 78,60.82 77.66,60.82 77.56,60.72 77.56,60.53 77.46,60.43 77.26,60.43 77.16,60.53 77.16,60.72 77.06,60.82 76.86,60.82 76.76,60.72 76.76,60.53 76.66,60.43 76.46,60.43 76.36,60.53 76.36,60.72 76.26,60.82 76.06,60.82 75.96,60.72 75.96,60.53 75.86,60.43 75.66,60.43 75.56,60.53 75.56,60.72 75.46,60.82 75.26,60.82 75.16,60.72 75.16,60.53 75.06,60.43 74.86,60.43 74.76,60.53 74.76,60.72 74.66,60.82 74.46,60.82 74.36,60.72 74.36,60.53 74.26,60.43 74.03,60.43 73.3,61.16 73.3,63.42 U19.F14
ENET1_TXD0: length 21.5
  SIGNAL-L4 w0.1: v15(77.89,51.95) 77.44,51.95 77.08,52.31 77.08,53.49 76.52,54.04 75.92,54.04 75.51,54.44 73.61,54.44 73.51,54.54 73.51,54.73 73.61,54.83 74.43,54.83 74.53,54.93 74.53,55.1 74.43,55.2 73.61,55.2 73.51,55.3 73.51,55.52 73.61,55.62 74.34,55.62 74.48,55.76 74.48,55.9 74.38,56 73.69,56 73.51,56.18 73.51,56.93 73.01,57.43 73.01,58.59 72.5,59.09 72.5,59.78 71.73,60.55 71.73,62.68 71.62,62.79 71.62,63.21 71.91,63.5 72.33,63.5 72.43,63.39 73.33,63.39 v15(73.72,63)
ENET1_TXD1: length 20.5
  SIGNAL-L4 w0.1: v15(73.72,63.8) 73.31,64.21 71.12,64.21 70.89,63.98 70.89,58.86 73.01,56.74 73.01,54.13 73.83,53.31 76.56,53.31 76.78,53.08 76.78,51.99 77.32,51.45 v15(77.89,51.45)
